# KiCad board Wireless Video Glass.kicad_pcb (continued)
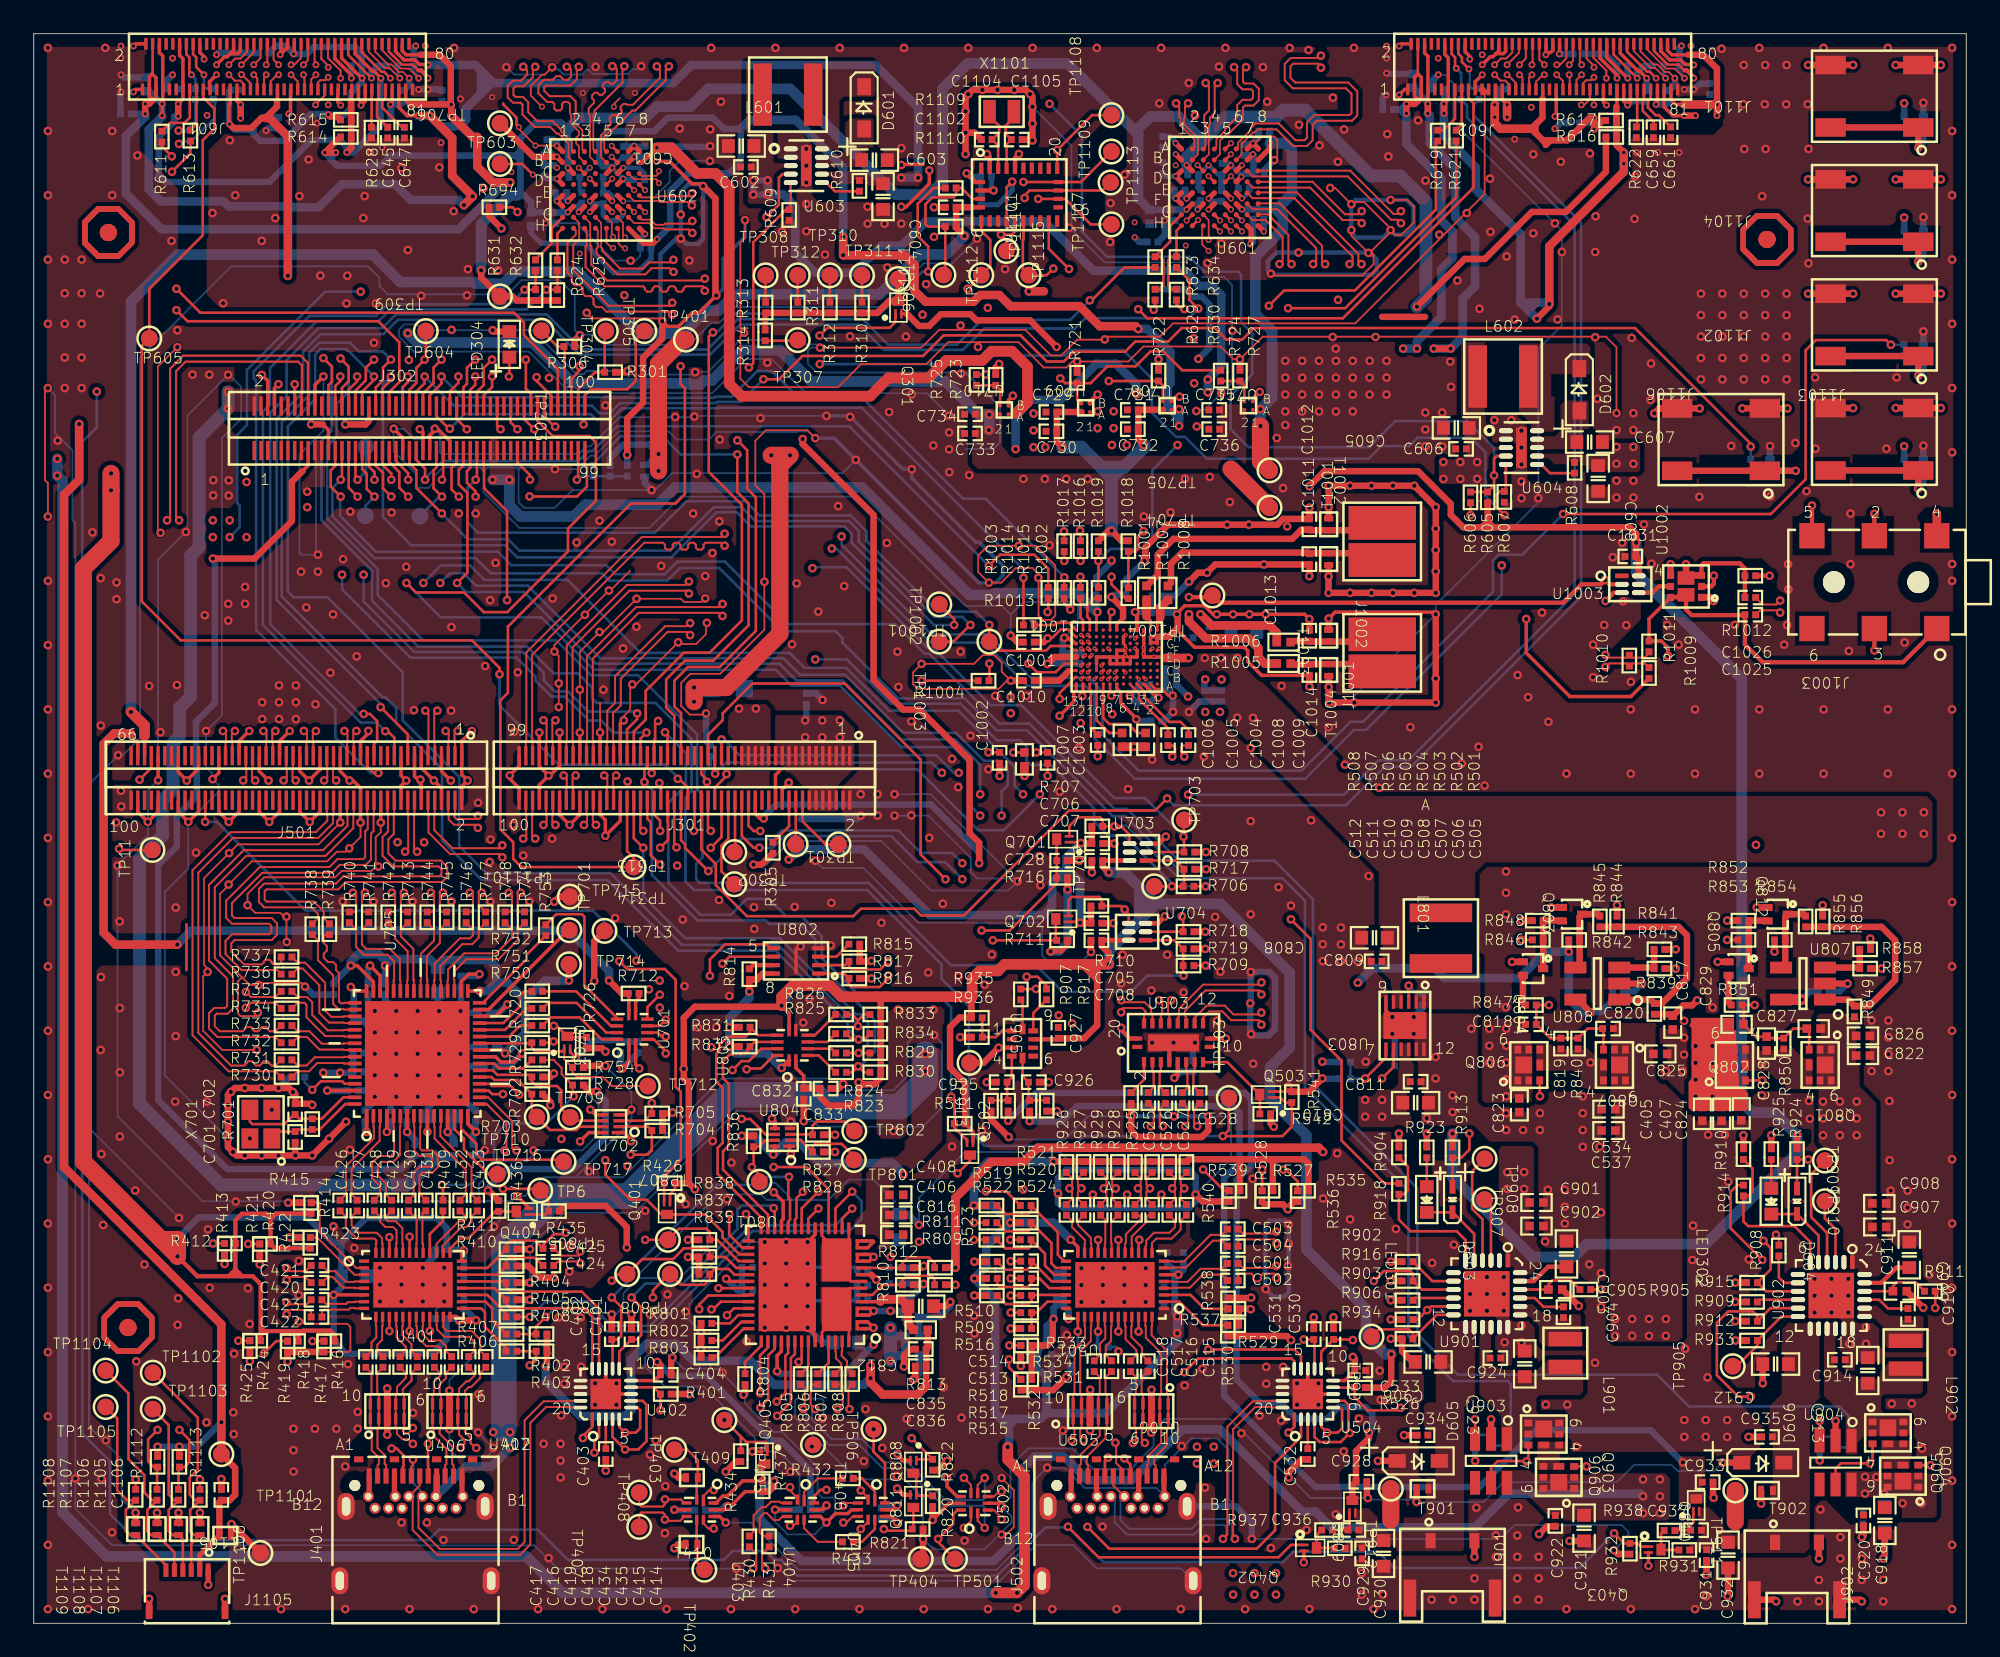
[diagram p0: board, top side]
## Routing (per net, layer and track width the routed paths; a pad name or vN(x,y) marks a point on that pad's centre or on a via; arc(x,y) is an arc through that point) (continued)
HDMI_TCLK_P: length 66.8
  TOP w0.114: v1(27.77,45.41) 27.77,45.43 27.6,45.61 24.68,45.61 23.4,46.88 23.4,47.96 23.37,47.99 J501.12 ; R504.2 65.61,26.39 65.61,25.94 v1(65.46,25.78) 65.61,25.62 65.61,25.17 C508.1
  ART06 w0.114: v1(27.77,45.41) 27.77,45.43 27.6,45.61 26.5,45.61 26.39,45.49 26.39,44.6 26.56,44.43 27.46,44.43 27.57,44.55 27.57,44.59 27.68,44.71 27.91,44.71 28.03,44.59 28.03,44.55 28.14,44.43 28.37,44.43 28.49,44.55 28.49,44.59 28.6,44.71 28.83,44.71 28.94,44.59 28.94,44.55 29.06,44.43 29.29,44.43 29.4,44.55 29.4,44.59 29.51,44.71 29.74,44.71 29.86,44.59 29.86,44.55 29.97,44.43 30.2,44.43 30.31,44.55 30.31,44.59 30.43,44.71 30.66,44.71 30.77,44.59 30.77,44.55 30.89,44.43 31.11,44.43 34.87,40.67 43.94,40.67 44.28,41.01 50.47,41.01 51.78,39.71 51.78,39.07 55.72,35.13 55.72,27.96 59.77,23.91 64.68,23.91 65.64,24.87 65.64,25.6 v1(65.46,25.78)
HDMI_TX0_N: length 65.6
  TOP w0.114: C505.1 67.99,25.17 67.99,25.57 v1(68.2,25.78) 67.99,25.99 67.99,26.39 R501.2 ; v1(25.13,52.9) 24.94,52.72 24.94,52.27 24.97,52.24 J501.3
  ART06 w0.114: v1(68.2,25.78) 68.01,25.97 68.01,26.78 67.22,27.57 66.33,27.57 62.64,31.26 62.64,33.12 51.27,44.49 42.41,44.49 42.19,44.71 42.19,50.84 41.47,51.56 35.74,51.56 35.63,51.67 35.63,51.87 35.31,52.19 34.63,52.19 34.32,51.87 34.32,51.67 34.2,51.56 33.81,51.56 33.7,51.67 33.7,51.87 33.38,52.19 32.7,52.19 32.39,51.87 32.39,51.67 32.27,51.56 27.59,51.56 27.07,52.07 25.06,52.07 24.94,52.19 24.94,52.72 v1(25.13,52.9)
HDMI_TX0_P: length 65.5
  TOP w0.114: J501.5 24.57,52.24 24.6,52.27 24.6,52.72 v1(24.41,52.9) ; C506.1 67.65,25.17 67.65,25.62 v1(67.49,25.78) 67.65,25.94 67.65,26.39 R502.2
  ART06 w0.114: v1(24.41,52.9) 24.6,52.72 24.6,52.04 24.91,51.73 26.93,51.73 27.44,51.21 32.42,51.21 32.73,51.53 32.73,51.73 32.84,51.84 33.24,51.84 33.35,51.73 33.35,51.53 33.67,51.21 34.35,51.21 34.66,51.53 34.66,51.73 34.78,51.84 35.17,51.84 35.28,51.73 35.28,51.53 35.6,51.21 41.33,51.21 41.85,50.69 41.85,44.56 42.26,44.15 51.13,44.15 62.3,32.98 62.3,31.12 66.19,27.23 67.08,27.23 67.67,26.64 67.67,25.97 v1(67.49,25.78)
HDMI_TX1_N: length 67
  TOP w0.114: R506.2 63.58,26.39 63.58,25.94 v1(63.42,25.78) 63.58,25.62 63.58,25.17 C510.1 ; v1(26.33,47.87) 26.15,47.68 25.06,47.68 24.94,47.8 24.94,47.96 24.97,47.99 J501.4
  ART06 w0.114: v1(63.42,25.78) 63.61,25.6 63.61,25.1 63.37,24.85 60.68,24.85 60,25.53 60,25.7 60.04,25.74 60.04,25.9 59.88,26.06 59.72,26.06 59.67,26.02 59.51,26.02 59.35,26.18 59.35,26.34 59.4,26.39 59.4,26.55 59.23,26.71 59.07,26.71 59.03,26.67 58.87,26.67 58.7,26.83 58.7,26.99 58.75,27.03 58.75,27.19 58.59,27.36 58.43,27.36 58.38,27.31 58.22,27.31 58.06,27.47 58.06,27.64 58.1,27.68 58.1,27.84 57.94,28 57.78,28 57.73,27.96 57.57,27.96 57.01,28.53 57.01,30.82 57.32,31.13 57.32,33.01 56.73,33.6 56.73,35.52 54.26,37.99 54.26,38.68 50.56,42.38 49.27,42.38 48.86,41.98 39.63,41.98 39.12,42.49 39.12,43.73 38.8,44.04 38.12,44.04 37.81,43.73 37.81,42.49 37.69,42.38 37.3,42.38 37.18,42.49 37.18,43.31 36.87,43.62 36.19,43.62 35.88,43.31 35.88,42.49 35.76,42.38 35.25,42.38 34.75,42.88 34.75,47.95 34.43,48.27 28.14,48.27 27.56,47.68 26.51,47.68 v1(26.33,47.87)
HDMI_TX1_P: length 66.9
  TOP w0.114: v1(26.33,47.16) 26.15,47.34 24.91,47.34 24.6,47.65 24.6,47.96 24.57,47.99 J501.6 ; R505.2 63.93,26.39 63.93,25.99 v1(64.14,25.78) 63.93,25.57 63.93,25.17 C509.1
  ART06 w0.114: v1(64.14,25.78) 63.95,25.6 63.95,24.95 63.51,24.51 60.54,24.51 56.66,28.38 56.66,30.96 56.97,31.27 56.97,32.87 56.38,33.46 56.38,35.38 53.91,37.85 53.91,38.54 50.41,42.04 49.41,42.04 49.01,41.64 39.49,41.64 38.77,42.35 38.77,43.59 38.66,43.7 38.26,43.7 38.15,43.59 38.15,42.35 37.84,42.04 37.16,42.04 36.84,42.35 36.84,43.17 36.73,43.28 36.33,43.28 36.22,43.17 36.22,42.35 35.9,42.04 35.11,42.04 34.4,42.74 34.4,47.81 34.29,47.92 28.29,47.92 27.7,47.34 26.51,47.34 v1(26.33,47.16)
HDMI_TX2_N: length 67.1
  TOP w0.114: v1(23.93,54.1) 23.74,53.92 23.74,52.27 23.77,52.24 J501.9 ; C512.1 61.55,25.17 61.55,25.62 v1(61.39,25.78) 61.55,25.94 61.55,26.39 R508.2
  ART06 w0.114: v1(61.39,25.78) 61.58,25.97 61.58,29.3 61.15,29.73 61.15,31.87 55.34,37.68 55.34,38.56 50.67,43.24 41.65,43.24 40.89,44 40.89,47.47 40.12,48.24 35.78,48.24 35.11,48.92 27.93,48.92 26.18,50.68 24.02,50.68 21.95,52.74 21.95,52.8 21.66,53.09 21.66,54.81 21.98,55.12 23.36,55.12 23.74,54.74 23.74,54.29 v1(23.93,54.1)
HDMI_TX2_P: length 67
  TOP w0.114: R507.2 61.89,26.39 61.89,25.99 v1(62.1,25.78) 61.89,25.57 61.89,25.17 C511.1 ; J501.11 23.37,52.24 23.4,52.27 23.4,53.92 v1(23.21,54.1)
  ART06 w0.114: v1(62.1,25.78) 61.92,25.97 61.92,29.44 61.49,29.87 61.49,32.01 55.68,37.82 55.68,38.7 50.81,43.58 41.79,43.58 41.23,44.14 41.23,47.61 40.26,48.59 35.93,48.59 35.25,49.26 28.07,49.26 26.32,51.02 24.16,51.02 23.87,51.31 23.87,51.47 23.93,51.53 23.93,51.69 23.76,51.85 23.6,51.85 23.55,51.79 23.38,51.79 23.22,51.96 23.22,52.12 23.28,52.17 23.28,52.34 23.12,52.5 22.96,52.5 22.9,52.44 22.74,52.44 22.58,52.6 22.58,52.76 22.63,52.82 22.63,52.98 22.47,53.14 22.31,53.14 22.28,53.12 22.12,53.12 22.01,53.23 22.01,54.66 22.12,54.78 23.22,54.78 23.4,54.6 23.4,54.29 v1(23.21,54.1)
HOME_KEY: length 108.1
  TOP w0.152: v1(28.06,60.66) 28.06,65.93 26.7,67.29 26.7,68.33 26.67,68.35 J302.69
  ART06 w0.122: v1(110.87,69.78) 106.72,65.63 93.61,65.63 91.45,67.79 91.45,69.27 88.19,72.53 81.89,72.53 80.95,71.6 79.08,71.6 76.61,69.13 63.14,69.13 61.06,71.21 58.4,71.21 57.2,72.42 53.5,72.42 49.99,68.91 49.99,65.59 47.61,63.21 45.13,63.21 44.86,62.95 38.31,62.95 37.5,62.14 29.54,62.14 v1(28.06,60.66)
  BOTTOM w0.381: R1103.1 v1(110.87,69.78)
HPOUTFB1/MICDET2: length 69
  TOP w0.152: 97.94,62.73 v1(97.94,62.78)
  TOP w0.203: v1(60.81,53.8) 61.65,54.64 61.65,55.18 61.8,55.33 U1001.A13
  TOP w0.254: U1002.3 98.86,62.71 98.98,62.84 101.12,62.84 101.43,62.52 R1012.1 C1026.2
  TOP w0.381: 97.94,62.73 U1002.8 98.09,62.12 U1002.3
  TOP w0.508: J1003.4 v1(112.81,65.78)
  ART03 w0.254: v1(60.81,53.8) 61.34,54.33 61.34,55.52 61.7,55.88 65.23,55.88 68.12,58.78 72.47,58.78 73.17,58.07 85.24,58.07 89.64,62.47 93.55,62.47 93.94,62.09 97.25,62.09 v1(97.94,62.78) 99.07,63.91 110.94,63.91 v1(112.81,65.78)
HPOUTL: length 65.3
  TOP w0.152: v2(63.69,55.97) 63.8,56.08 U1001.B8 ; U1001.B12 62.2,56.08 v2(62.08,55.97)
  TOP w0.254: J1003.2 v1(109.11,65.78)
  GND02 w0.203: v2(62.08,55.97) 62.08,55.65 61.65,55.21 61.65,53.77 v1(62.05,53.37) ; v1(63.93,53.9) 64.39,54.36 64.39,55.2 63.69,55.9 v2(63.69,55.97)
  ART06 w0.254: v1(109.11,65.78) 109.11,60.92 103.16,54.98 93.32,54.98 92.86,55.45 80.34,55.45 79.22,56.57 75.54,56.57 73.87,58.24 68.19,58.24 65.56,55.61 64.85,55.61 64.41,55.17 64.41,54.38 v1(63.93,53.9) 62.59,53.9 v1(62.05,53.37)
HPOUTR: length 55.6
  TOP w0.152: v1(63.88,54.99) 63.8,55.07 U1001.A8
  TOP w0.203: U1001.A12 62.2,55.01 v1(62.15,54.97)
  TOP w0.254: v1(109.11,57.67) J1003.3
  ART03 w0.254: v1(63.88,54.99) 63.86,54.97 v1(62.15,54.97) 62.15,54.52 64.13,52.54 85.16,52.54 91.19,58.57 108.2,58.57 v1(109.11,57.67)
HRESET: length 20.2
  TOP w0.152: Q811.3 52.14,5.65 R821.1 51.97,5.49 50.5,5.49 v1(50.39,5.59) ; U801.44 43.52,16.34 43.05,15.88 v1(43.05,13.64)
  ART06 w0.122: v1(50.39,5.59) 49.77,6.21 49.77,8.23 46.94,11.06 43.16,11.06 42.34,11.89 42.34,12.92 v1(43.05,13.64)
I2C1_IRQZ: length 8.3
  TOP w0.152: v1(42.22,24.26) 42.37,24.11 U801.29 ; TP807.1 43.01,26.6 v1(42.57,27.04) 42.67,27.14 R836.1 42.99,28.25 43.36,28.63 U804.7
  ART06 w0.122: v1(42.57,27.04) 42.57,24.6 v1(42.22,24.26)
I2C1_SCL: length 15.1
  TOP w0.152: U801.27 43.52,24.23 40.86,26.89 40.86,27.98 41.2,28.33 41.2,31.97 40.86,32.31 40.86,33.33 41.23,33.71 41.42,33.71 41.48,33.76 42.12,33.76 42.22,33.86 42.27,33.86 42.31,33.91 42.31,34.04 R832.1 42.73,34.46 U805.10
I2C1_SDA: length 16.5
  TOP w0.152: U805.9 42.93,34.86 R831.1 42.46,35.04 42.19,34.77 41.12,34.77 40.64,34.29 40.64,33.95 40.46,33.76 40.46,32.12 40.83,31.74 40.83,28.48 40.54,28.18 40.54,26.64 43.12,24.06 U801.28
I2C2_IRQZ: length 23.7
  TOP w0.152: U804.6 43.38,28.98 42.47,29.9 v1(41.96,29.9) ; v1(36.7,19.31) 36.7,19.73 37.67,20.7 TP808.1 38.35,20.07 39.75,20.07 40.07,20.39 R835.1 40.38,21.01 41.2,21.01 41.54,20.67 U801.34
  ART06 w0.122: v1(41.96,29.9) 41.91,29.84 40.06,29.84 37.95,27.74 37.95,23.06 36.7,21.81 v1(36.7,19.31)
I2C2_SCL: length 23.4
  TOP w0.152: U805.12 43.87,33.66 43.1,32.89 42.34,32.89 42.29,32.83 42.27,32.83 v1(42.26,32.84) ; U801.32 41.78,21.47 40.51,22.73 R838.1 40.07,23.2 39.88,23.39 38.25,23.39 TP805.1 v1(36.25,22.73)
  ART06 w0.122: v1(36.25,22.73) 37.04,23.53 37.04,27.86 40.95,31.78 40.95,32.99 41.23,33.26 41.83,33.26 v1(42.26,32.84)
I2C2_SDA: length 28.4
  TOP w0.152: U801.33 41.65,21.07 41,21.72 R837.1 40.07,22.06 39.9,22.22 38.53,22.22 37.9,21.59 36.07,21.59 TP806.1 34.65,20.7 v1(34.26,20.31) ; v1(41.42,32.8) 41.95,33.32 42.39,33.32 43.13,34.06 U805.11
  ART06 w0.122: v1(34.26,20.31) 34.63,20.31 37.44,23.12 37.44,27.77 41.42,31.74 v1(41.42,32.8)
I2C_EN: length 12.5
  TOP w0.152: v1(69.32,26.9) 70.57,25.64 R539.2 ; U501.17 v1(63.09,22.73)
  ART03 w0.122: v1(63.09,22.73) 64.06,23.7 68.76,23.7 69.57,24.51 69.57,26.64 v1(69.32,26.9)
I2C_L_SCL: length 48.4
  TOP w0.152: R631.2 29.74,80.19 R624.1 v1(29.09,79.06) ; J501.29 19.77,50.81 20.18,50.4 v1(20.43,50.4)
  BOTTOM w0.152: v1(29.09,79.06) 28.24,78.2 20.99,78.2 20.29,77.51 16.34,77.51 13.04,74.21 13.04,73.8 13.18,73.67 13.18,58.89 17.88,54.19 17.88,52.49 19.97,50.4 v1(20.43,50.4)
I2C_L_SDA: length 47.1
  TOP w0.152: J501.21 21.37,52.5 20.98,52.89 v1(20.84,52.89) ; R632.2 31.04,80.19 R625.1 v1(30.39,79.06)
  BOTTOM w0.152: v1(20.84,52.89) 20.34,53.39 19.39,53.39 13.58,59.19 13.58,71.83 14,72.25 14,74.42 16.77,77.18 20.43,77.18 21.15,77.9 29.23,77.9 v1(30.39,79.06)
I2C_LEVEL_SCL1: length 1.9
  TOP w0.152: U805.5 47.05,34.46 R825.2
I2C_LEVEL_SCL2: length 2.1
  TOP w0.152: R823.2 46.53,33.66 U805.3
I2C_LEVEL_SDA1: length 2.2
  TOP w0.152: U805.6 46.3,34.86 R826.2
I2C_LEVEL_SDA2: length 1.8
  TOP w0.152: R824.2 47.28,34.06 U805.4
I2C_R_SCL: length 55.8
  TOP w0.152: v1(37.13,45.97) 37.59,46.43 37.59,47.5 37.57,47.52 J301.56 ; R629.2 66.47,77.95 v1(66.39,77.87)
  ART03 w0.122: v1(66.39,77.87) 67.18,77.08 67.18,73.43 66.88,73.13 66.88,69.65 64.57,67.34 55.81,67.34 43.36,54.88 43.36,51.87 40.79,49.3 38.61,49.3 36.65,47.35 36.65,46.38 37.06,45.97 v1(37.13,45.97)
  BOTTOM w0.152: v1(66.39,77.87) 66.47,77.95 R629.2
I2C_R_SDA: length 57.2
  TOP w0.152: v1(68.2,77.92) 68.03,77.92 67.74,78.21 R630.2 ; J301.54 37.97,46.13 v1(38.1,46)
  ART03 w0.122: v1(38.1,46) 38.1,46.94 39.6,48.44 40.92,48.44 44.01,51.53 44.01,54.54 45.53,56.05 46.81,56.05 48.34,57.58 48.34,58.73 56.32,66.72 65.45,66.72 69.52,70.78 69.52,71.97 67.74,73.75 67.74,77.45 v1(68.2,77.92)
  BOTTOM w0.152: v1(68.2,77.92) 68.03,77.92 67.74,78.21 R630.2
I2C_SCL: length 86.4
  TOP w0.152: R834.1 49.23,34.61 v1(48.89,34.61) 48.51,34.61 R825.1 ; v1(21.17,74.91) 20.7,74.44 20.7,73.69 20.27,73.25 J302.38 ; v1(59.42,37.61) 59.41,37.6 R907.2
  ART03 w0.122: v1(59.42,37.61) 58.01,37.61 55.76,35.35 52.8,35.35 52.06,34.61 v1(48.89,34.61)
  BOTTOM w0.152: v1(21.17,74.91) 20.69,75.4 19.27,75.4 18.76,75.92 16.92,75.92 16.33,75.33 16.33,72.82 14.7,71.19 14.7,60.87 20.67,54.9 20.84,54.9 21.49,54.26 21.49,53.36 24.21,50.64 24.21,46.41 26.55,44.06 34.01,44.06 38.2,39.87 43.97,39.87 48.24,35.6 48.24,35.27 v1(48.89,34.61)
I2C_SDA: length 84.8
  TOP w0.152: v1(58.86,38.33) 59.5,38.33 60.04,37.8 R917.2 ; v1(48.86,35.4) 48.86,35.74 ; 48.86,35.74 48.5,36.09 R826.1 ; 48.86,35.74 49.22,36.09 R833.1 ; J302.34 19.47,73.01 20.17,73.71 v1(20.17,73.91)
  ART03 w0.122: v1(58.86,38.33) 58.64,38.11 57.72,38.11 55.39,35.78 52.61,35.78 51.88,35.05 49.2,35.05 v1(48.86,35.4)
  BOTTOM w0.152: v1(20.17,73.91) 18.54,75.54 17.01,75.54 16.69,75.21 16.69,72.58 15.06,70.95 15.06,61.17 15.41,60.83 17.42,60.83 21.87,56.38 21.87,53.53 25.22,50.17 25.22,46.08 26.82,44.48 34.18,44.48 38.44,40.21 44.12,40.21 48.86,35.47 v1(48.86,35.4)
IIS_DATA: length 9.5
  TOP w0.152: R753.1 30.98,42.04 32.49,42.04 32.64,41.88 32.64,37.82 34.58,35.88 U701.9
IIS_MCLK: length 5.3
  TOP w0.152: U701.10 34.21,35.42 32.16,37.46 R752.1
IIS_SCLK: length 5.3
  TOP w0.152: U701.11 33.95,35.02 32.18,36.78 30.5,36.78 R751.1
IIS_WS: length 5.1
  TOP w0.152: U701.12 33.66,34.62 32.36,35.92 30.65,35.92 R750.1
IN4N: length 46.1
  TOP w0.114: v1(103.52,60.63) 103.29,60.39 102.49,60.39 C1026.1
  TOP w0.152: v2(65.91,55.97) 65.8,56.08 U1001.B3
  GND02 w0.114: v1(69.44,54.03) 69.68,53.78 69.68,53.53 69.44,53.29 67.11,53.29 65.88,54.52 65.88,55.69 65.91,55.72 v2(65.91,55.97)
  ART03 w0.114: v1(103.52,60.63) 103.34,60.45 100.45,60.45 100.09,60.08 90.46,60.08 84.41,54.04 73.9,54.04 73.03,54.91 70.02,54.91 69.71,54.6 69.71,54.29 v1(69.44,54.03)
IN4P: length 46.5
  TOP w0.114: C1025.1 102.33,60.05 103.39,60.05 v1(103.52,59.92)
  TOP w0.152: U1001.B4 65.4,56.08 v2(65.51,55.97)
  GND02 w0.114: v1(70.32,54.03) 70.03,53.74 70.03,53.39 69.58,52.95 66.96,52.95 65.54,54.37 65.54,55.69 65.51,55.72 v2(65.51,55.97)
  ART03 w0.114: v1(70.32,54.03) 70.05,54.29 70.05,54.45 70.17,54.57 72.89,54.57 73.76,53.7 84.56,53.7 90.6,59.74 100.23,59.74 100.59,60.1 103.34,60.1 v1(103.52,59.92)
JACKDET: length 48.4
  TOP w0.152: U1001.C8 63.8,56.48 v2(63.69,56.37)
  TOP w0.254: J1003.5 v1(105.41,66.27)
  GND02 w0.152: v3(64.08,56.84) 63.69,56.44 v2(63.69,56.37)
  ART03 w0.254: v3(64.08,56.84) 65.55,56.84 67.97,59.26 72.79,59.26 73.47,58.58 85.08,58.58 92.64,66.14 105.28,66.14 v1(105.41,66.27)
L_775_EN: length 50.9
  TOP w0.152: R725.2 v1(56.41,74.03) ; J301.64 35.97,47.14 v1(36.13,46.97) ; v1(63.73,73.64) R722.2 66.93,73.39 U708.B2
  ART03 w0.122: v1(56.41,74.03) 54.74,72.36 54.74,66.66 44.65,56.57 43.11,56.57 40.87,54.33 40.87,53.55 37.59,50.27 37.59,48.74 36.13,47.28 v1(36.13,46.97)
  ART06 w0.122: v1(56.41,74.03) 56.42,74.04 57.96,74.04 58.88,73.13 62.33,73.13 62.85,73.64 v1(63.73,73.64)
L_AUXN: length 18.3
  TOP w0.114: U705.18 26.94,31.18 28.36,29.76 28.36,28.17 28.5,28.03 v1(28.62,28.03) ; C425.2 31.26,21.79 32.29,21.79 32.4,21.91 v1(32.4,22.05)
  ART06 w0.114: v1(32.4,22.05) 32.4,21.93 32.52,21.82 32.97,21.82 33.23,22.07 33.23,22.4 32.45,23.18 32.45,25.92 31.44,26.92 31.28,26.92 31.26,26.91 31.1,26.91 30.94,27.07 30.94,27.23 30.96,27.25 30.96,27.41 30.8,27.57 30.63,27.57 30.62,27.55 30.46,27.55 30.29,27.71 30.29,27.88 30.31,27.89 30.31,28.05 29.5,28.86 28.55,28.86 28.39,28.7 28.39,28.15 28.5,28.03 v1(28.62,28.03)
L_AUXP: length 18.3
  TOP w0.114: v1(27.91,28.03) 28.02,28.14 28.02,29.61 26.85,30.78 U705.17 ; v1(32.4,21.34) 32.29,21.45 31.11,21.45 31.08,21.41 31.03,21.41 C424.2
  ART06 w0.114: v1(27.91,28.03) 28.04,28.17 28.04,28.84 28.41,29.2 29.65,29.2 32.79,26.06 32.79,23.32 33.57,22.54 33.57,21.93 33.11,21.47 32.54,21.47 v1(32.4,21.34)
L_BAT_CTL: length 130.4
  TOP w0.152: J302.25 17.87,68.62 17.6,68.35 17.6,67.39 v1(18.2,66.79)
  BOTTOM w0.152: v1(18.2,66.79) 18.16,66.76 18.16,65.64 20.27,63.53 27.51,63.53 28.32,62.72 33.94,62.72 34.47,62.19 37.4,62.19 38.15,62.94 40.97,62.94 44.67,59.24 51.05,59.24 52.82,57.48 53.09,57.48 57.23,53.34 59,53.34 64.06,48.29 64.8,48.29 67.87,45.21 73.53,45.21 75.83,42.91 75.83,31.97 82.02,25.78 82.02,17.15 84.43,14.73 96.24,14.73 98.12,12.85 107.04,12.85 107.59,12.29 107.59,10.58 107.44,10.42 R922.1
L_C_CC1: length 26.1
  TOP w0.152: v1(21.21,10.36) 21.23,10.39 21.49,10.39 21.92,9.96 21.92,9.32 21.88,9.29 J401.A5 ; 34.31,12.09 34.31,11.05 v1(35.05,10.3) 35.83,10.3 36.32,10.79 36.32,12.95 36.09,13.19 35.41,13.19
  ART06 w0.152: v1(35.05,10.3) 32.12,13.23 27.98,13.23 27.74,12.99 22.21,12.99 21.59,12.37 21.59,10.74 v1(21.21,10.36)
L_C_CC2: length 17.8
  TOP w0.152: 35.41,12.79 35.79,12.79 35.94,12.64 35.94,11.56 35.69,11.3 v1(35.05,11.3) 34.71,11.65 34.71,12.09
  ART03 w0.122: v1(35.05,11.3) 34.36,10.61 33.01,10.61 31.55,9.14 30.69,9.14 27.45,5.9 24.35,5.9 J401.B5
L_C_SBU1: length 15.3
  TOP w0.152: J401.A8 23.38,9.36 23.37,9.37 v1(23.37,10.64) ; v1(32.56,10.98) 32.56,11.09 33.11,11.65 U402.1
  ART06 w0.152: v1(32.56,10.98) 32.56,12.03 31.69,12.9 28.08,12.9 27.85,12.66 24.58,12.66 23.37,11.46 v1(23.37,10.64)
L_C_SBU2: length 16.5
  TOP w0.152: v1(33.23,10.11) 33.23,10.77 33.51,11.05 33.51,12.09
  ART03 w0.122: v1(33.23,10.11) 33.23,9.81 28.87,5.45 22.64,5.45 22.43,5.66 22.43,6.23 J401.B8
L_CC1: length 21.8
  TOP w0.152: v1(44.77,26.47) 44.73,26.43 44.73,25.2 44.83,25.1 44.83,23.93 44.72,23.82 U801.24 ; 34.31,15.09 34.31,16.78 C402.1 34.62,16.82 34.82,17.02 34.82,18.76 v1(34.26,19.31)
  BOTTOM w0.152: v1(44.77,26.47) 43.48,26.47 43.01,25.99 40.5,25.99 35.28,20.78 35.28,20.33 v1(34.26,19.31)
L_CC2: length 17.8
  TOP w0.152: 34.71,15.09 34.71,16.1 C401.1 35.75,16.82 36,17.08 36,18.74 v1(35.43,19.31) ; v1(43.87,24.61) 43.92,24.56 U801.26
  BOTTOM w0.152: v1(43.87,24.61) 43.71,24.77 41.97,24.77 41.72,24.51 41.72,23.38 38.48,20.14 36.26,20.14 v1(35.43,19.31)
L_CHG_CE: length 165.7
  TOP w0.152: v1(102.53,22.67) 102.96,22.25 102.96,20.98 R915.2 102.69,19.68 U902.9 ; J302.26 17.87,73.34 18.17,73.64 v1(18.17,73.91)
  ART03 w0.122: v1(58.64,49.15) 59.41,48.38 64.79,48.38 65.44,47.73 68.83,47.73 69.49,47.07 105.02,47.07 111.33,40.75 111.33,30.4 104.93,24 103.56,24 102.53,22.98 v1(102.53,22.67) ; v1(18.17,73.91) 19.06,73.02 28.11,73.02 28.66,73.57 28.66,75.15 28.92,75.41 32.79,75.41 33.1,75.11 33.1,67.61 29.83,64.35 27.69,64.35 26.11,62.77 24.19,62.77 v1(23.1,61.67)
  BOTTOM w0.152: v1(23.1,61.67) 24.14,62.71 25.86,62.71 26.72,61.85 31.64,61.85 35.97,57.53 44.81,57.53 45.7,56.64 48.16,56.64 50.69,54.11 54.81,54.11 58.14,50.77 58.14,49.65 v1(58.64,49.15)
L_CHG_STAT: length 147.4
  TOP w0.152: D604.1 R924.2 v1(105.18,27.49) ; v1(20.17,74.91) 19.68,74.43 19.68,73.69 19.07,73.07 J302.32
  ART03 w0.122: v1(20.17,74.91) 20.69,74.4 26.5,74.4 26.64,74.54 26.64,75.39 27.03,75.77 32.91,75.77 33.41,75.28 33.41,67.53 29.94,64.06 27.82,64.06 26.25,62.48 24.91,62.48 v1(24.1,61.67) ; v1(57.37,47.88) 57.52,47.73 64.27,47.73 65.85,46.15 68.63,46.15 68.95,46.47 100.06,46.47 105.74,40.79 105.74,33.17 103.98,31.41 103.98,28.69 v1(105.18,27.49)
  BOTTOM w0.152: v1(57.37,47.88) 57.37,49.32 57.73,49.68 57.73,50.5 57.1,51.13 56.32,51.13 54.66,52.79 51.54,52.79 48.1,56.23 45.42,56.23 44.44,57.21 33.58,57.21 29.28,61.51 26.22,61.51 25.48,62.26 24.68,62.26 v1(24.1,61.67)
L_D+: length 3.1
  TOP w0.114: R432.2 46.48,8.59 45.67,7.77 U404.1
L_D-: length 3.1
  TOP w0.114: R433.2 46.48,4.83 45.67,5.64 U404.7
L_DPEQ0: length 14.7
  TOP w0.152: U401.35 v1(22.28,22.91) ; v1(10.63,22.52) R413.1
  ART06 w0.114: v1(22.28,22.91) 21.76,22.91 20.2,24.47 14,24.47 12.05,22.52 v1(10.63,22.52)
L_DPEQ1: length 5.7
  TOP w0.114: U401.2 19.12,21.07 16.95,23.24 16.95,24.82 16.83,24.93 R414.2
L_EN: length 39.1
  TOP w0.152: v1(41.71,70.13) 42.29,69.55 42.29,67.26 42.8,66.75 42.8,58.83 40.67,56.69 38.79,56.69 37.97,55.88 37.97,54.36 38.37,53.96 J301.51 ; U603.5 44.87,83.9 R609.2 44.59,83.81 42.65,81.87 42.65,74.71 v1(42.39,74.45)
  ART05 w0.152: v1(42.39,74.45) 41.71,73.76 v1(41.71,70.13)
L_EQ0: length 6.3
  TOP w0.152: v1(21.08,17.32) U401.11 ; v1(16.52,16.73) R417.1
  ART06 w0.122: v1(21.08,17.32) 17.12,17.32 v1(16.52,16.73)
L_EQ1: length 12.2
  TOP w0.152: v1(22.28,17.32) U401.14 ; R418.2 14.37,16.73 v1(13.66,16.01)
  ART06 w0.114: v1(13.66,16.01) 14.52,16.87 15.91,16.87 16.92,17.88 21.25,17.88 21.81,17.32 v1(22.28,17.32)
L_FAULT: length 117.2
  TOP w0.152: v1(37.14,12.63) R401.2 36.74,13.99 35.41,13.99 ; J302.88 30.27,71.53 30.86,70.94 v1(30.91,70.94)
  ART03 w0.122: v1(30.91,70.94) 30.91,69.2 30.43,68.72 30.43,67.78 29.96,67.31 28.95,67.31 26.46,64.83 14.71,64.83 13.68,65.86 11.09,65.86 v1(10.62,65.39)
  ART06 w0.122: v1(37.14,12.63) 36.86,12.63 35.83,13.66 28.61,13.66 27.64,14.63 20.08,14.63 18.62,13.16 9.76,13.16 2,20.92 2,54.97 9.79,62.76 9.79,64.56 v1(10.62,65.39)
L_HPDIN: length 29.6
  TOP w0.152: J301.40 40.77,46.61 v1(40.13,45.97) ; v1(34.71,39.25) 35.18,38.79 37.41,38.79 38.05,38.15 38.05,31.8 38.35,31.5 38.35,27.48 37.37,26.5 R426.2 37.37,26.08 Q401.2
  ART03 w0.122: v1(34.71,39.25) 34.71,40.11 38.48,43.88 38.48,44.46 39.99,45.97 v1(40.13,45.97)
L_I2C_EN: length 13.9
  TOP w0.152: v1(12.13,16.75) R424.2 ; v1(23.48,17.32) U401.17
  ART06 w0.114: v1(23.48,17.32) 22.96,17.32 21.99,18.29 16.84,18.29 15.75,17.2 14.31,17.2 13.87,16.75 v1(12.13,16.75)
L_LCD_RST: length 71.4
  TOP w0.152: J301.50 38.77,49.55 38.25,50.06 v1(38.18,50.06) ; J601.19 10.05,90.45 10.7,89.79 10.7,88.61 10.02,87.92 10.02,82.28 6.85,79.11 TP605.1 6.4,75.72 6.4,60.58 8.72,58.27 25.98,58.27 27.61,56.64 v1(27.61,56.26)
  BOTTOM w0.152: v1(27.61,56.26) 27.61,54.42 31.13,50.9 37.41,50.9 38.18,50.14 v1(38.18,50.06)
L_LCD_VCCP: length 54
  TOP w0.152: J601.4 7.05,91.88 7.02,91.85
  TOP w0.203: J601.79 22.05,90.3 22.3,90.04 ; J601.78 21.85,93.21 22.08,92.98 22.91,92.98 ; 7.25,90.48 J601.5 7.25,91.63 7.02,91.85 6.85,91.68 J601.3 6.85,90.51 7.06,90.3 7.25,90.48
  TOP w0.381: v5(24.75,89.38) v5(24.75,90.04) ; v5(24.75,90.04) 24.72,90.07 24.72,92.32 24.06,92.98 22.91,92.98 ; v5(24.75,90.04) 22.3,90.04 ; v5(6.6,89.48) 6.61,89.49 v5(6.61,90.07) 6.84,90.07 7.06,90.3
  TOP w0.508: v5(24.75,89.38) 26.01,88.11 26.29,88.11 26.29,86.35 27.23,85.42 v1(28.24,85.42)
  BOTTOM w0.254: v5(6.61,90.07) 6.6,90.07 v5(6.6,89.48)
  BOTTOM w0.381: C648.2 v5(6.6,89.48)
  BOTTOM w0.508: v1(28.24,85.42) 27.96,85.42 25.18,82.65 7.57,82.65 5.46,84.76 5.46,88.16 6.6,89.31 v5(6.6,89.48)
L_OTG: length 105.8
  TOP w0.152: J301.39 v1(40.77,52.39) ; v1(102.46,21.54) 100.58,23.42 100.58,25.58 100.98,25.97 R914.1
  ART03 w0.122: v1(54.83,50.42) 55.62,50.42 57.99,48.05 64.62,48.05 65.27,47.4 68.59,47.4 69.2,46.78 104.91,46.78 111.05,40.64 111.05,30.56 104.86,24.36 103.41,24.36 101.91,22.87 101.91,22.09 v1(102.46,21.54)
  BOTTOM w0.152: v1(40.77,52.39) 40.91,52.39 41.84,51.46 53.5,51.46 54.54,50.42 v1(54.83,50.42)
L_RESET: length 24.5
  TOP w0.152: TP604.1 23.24,74.98 v1(23.17,74.91) 22.68,74.43 22.68,73.53 22.27,73.12 J302.48 ; v4(32.96,85.64) U602.D4
  ART06 w0.122: v1(23.17,74.91) 23.36,75.1 23.36,78.14 23.8,78.57 23.8,79.63 25.43,81.26 31.84,81.26 33.71,83.13 33.71,84.89 v4(32.96,85.64)
L_RX1+: length 19.3
  TOP w0.114: v1(22.47,10.64) 22.2,10.91 21.85,10.91 21.53,11.23 21.53,11.53 21.46,11.61 U406.4 U406.7 21.46,13.53 21.53,13.61 21.53,14.02 22.05,14.54 22.05,14.84 C419.1
  ART03 w0.114: J401.B11 20.46,7.05 20.46,9.45 19.79,10.12 19.79,11.86 21.84,13.91 23.16,13.91 23.62,13.44 23.62,11.67 22.89,10.93 22.59,10.93 22.47,10.82 v1(22.47,10.64)
L_RX1-: length 19.3
  TOP w0.114: v1(22.47,11.58) 22.47,11.54 22.18,11.25 21.99,11.25 21.88,11.37 21.88,11.53 21.95,11.61 U406.5 U406.6 21.95,13.53 21.88,13.61 21.88,13.87 22.4,14.39 22.4,14.84 C418.1
  ART03 w0.114: J401.B10 20.81,7.05 20.81,9.59 20.13,10.26 20.13,11.71 20.63,12.22 20.8,12.22 21.04,11.97 21.21,11.97 21.37,12.13 21.37,12.29 21.12,12.54 21.12,12.7 21.28,12.86 21.44,12.86 21.69,12.62 21.85,12.62 22.01,12.78 22.01,12.94 21.77,13.19 21.77,13.35 21.98,13.56 23.02,13.56 23.28,13.3 23.28,13.06 23.17,12.94 23.04,12.94 22.93,12.83 22.93,12.6 23.04,12.49 23.17,12.49 23.28,12.37 23.28,11.81 22.75,11.28 22.59,11.28 22.47,11.39 v1(22.47,11.58)
L_RX2+: length 7.1
  TOP w0.114: C435.1 24.43,14.84 24.43,14.52 24.06,14.15 24.06,13.61 24.14,13.53 U407.9 U407.2 24.14,11.61 24.06,11.53 24.06,11.24 24.81,10.49 24.81,9.44 24.88,9.37 J401.A11
L_RX2-: length 7.1
  TOP w0.114: J401.A10 24.38,9.37 24.46,9.44 24.46,10.35 23.72,11.1 23.72,11.53 23.64,11.61 U407.1 U407.10 23.64,13.53 23.72,13.61 23.72,14.3 24.09,14.66 24.09,14.84 C434.1
L_SBU1: length 11.7
  TOP w0.152: 33.11,15.09 33.11,18.17 32.61,18.67 28.27,18.67 28,18.94 R405.2 27.31,19.87 U401.24
L_SBU2: length 12.5
  TOP w0.152: 33.51,15.09 33.51,18.64 32.49,19.66 28.27,19.66 28,19.93 R404.2 27.93,20.27 U401.25
L_SPI_CLK: length 31.3
  TOP w0.152: v1(8.18,86.97) 7.59,87.55 R611.2 ; J302.41 21.07,68.85 21.67,68.25 21.67,67.32 v1(22.2,66.79)
  ART06 w0.122: v1(22.2,66.79) 21.72,67.27 21.72,68.76 19.69,70.78 19.69,74.85 18.45,76.09 16.78,76.09 8.89,83.98 8.89,86.36 8.28,86.97 v1(8.18,86.97)
L_SPI_CS: length 31.3
  TOP w0.152: v1(20.2,67.79) 20.2,68.25 19.87,68.57 J302.35
  ART06 w0.122: v1(8.59,88.49) 8.15,88.49 7.19,87.53 7.19,83.68 16.04,74.83 16.04,72.86 17.36,71.54 17.36,70.63 v1(20.2,67.79)
  BOTTOM w0.152: R623.2 9.58,89.06 8.97,88.44 8.69,88.44 8.64,88.49 v1(8.59,88.49)
L_SPI_MISO: length 28.9
  TOP w0.152: R613.2 9.29,87.14 v1(8.2,86.05) ; J302.39 20.67,68.69 21.2,68.16 v1(21.2,67.79)
  ART06 w0.122: v1(8.2,86.05) 8.2,83.97 16.44,75.72 18.14,75.72 18.69,75.16 18.69,73.1 19.37,72.43 19.37,70.69 21.13,68.93 21.13,67.86 v1(21.2,67.79)
L_SPI_MOSI: length 34.5
  TOP w0.152: v1(21.2,66.79) 20.7,67.29 20.7,68.2 20.27,68.63 J302.37
  ART06 w0.122: v1(8.61,87.71) 8.05,87.71 7.54,87.2 7.54,83.91 16.39,75.06 16.39,72.92 17.68,71.63 17.68,70.87 19.89,68.66 20.17,68.66 20.7,68.12 20.7,67.41 21.2,66.92 v1(21.2,66.79)
  BOTTOM w0.152: R612.2 10.73,90.24 10.73,89.25 9.32,87.83 8.74,87.83 v1(8.61,87.71)
L_SSEQ0: length 11.1
  TOP w0.152: U401.38 v1(21.08,22.89) ; v1(12.71,22.49) R420.2
  ART06 w0.114: v1(21.08,22.89) 19.95,24.01 14.24,24.01 v1(12.71,22.49)
